# KiCad board modulo_puente_h-panel.kicad_pcb (continued)
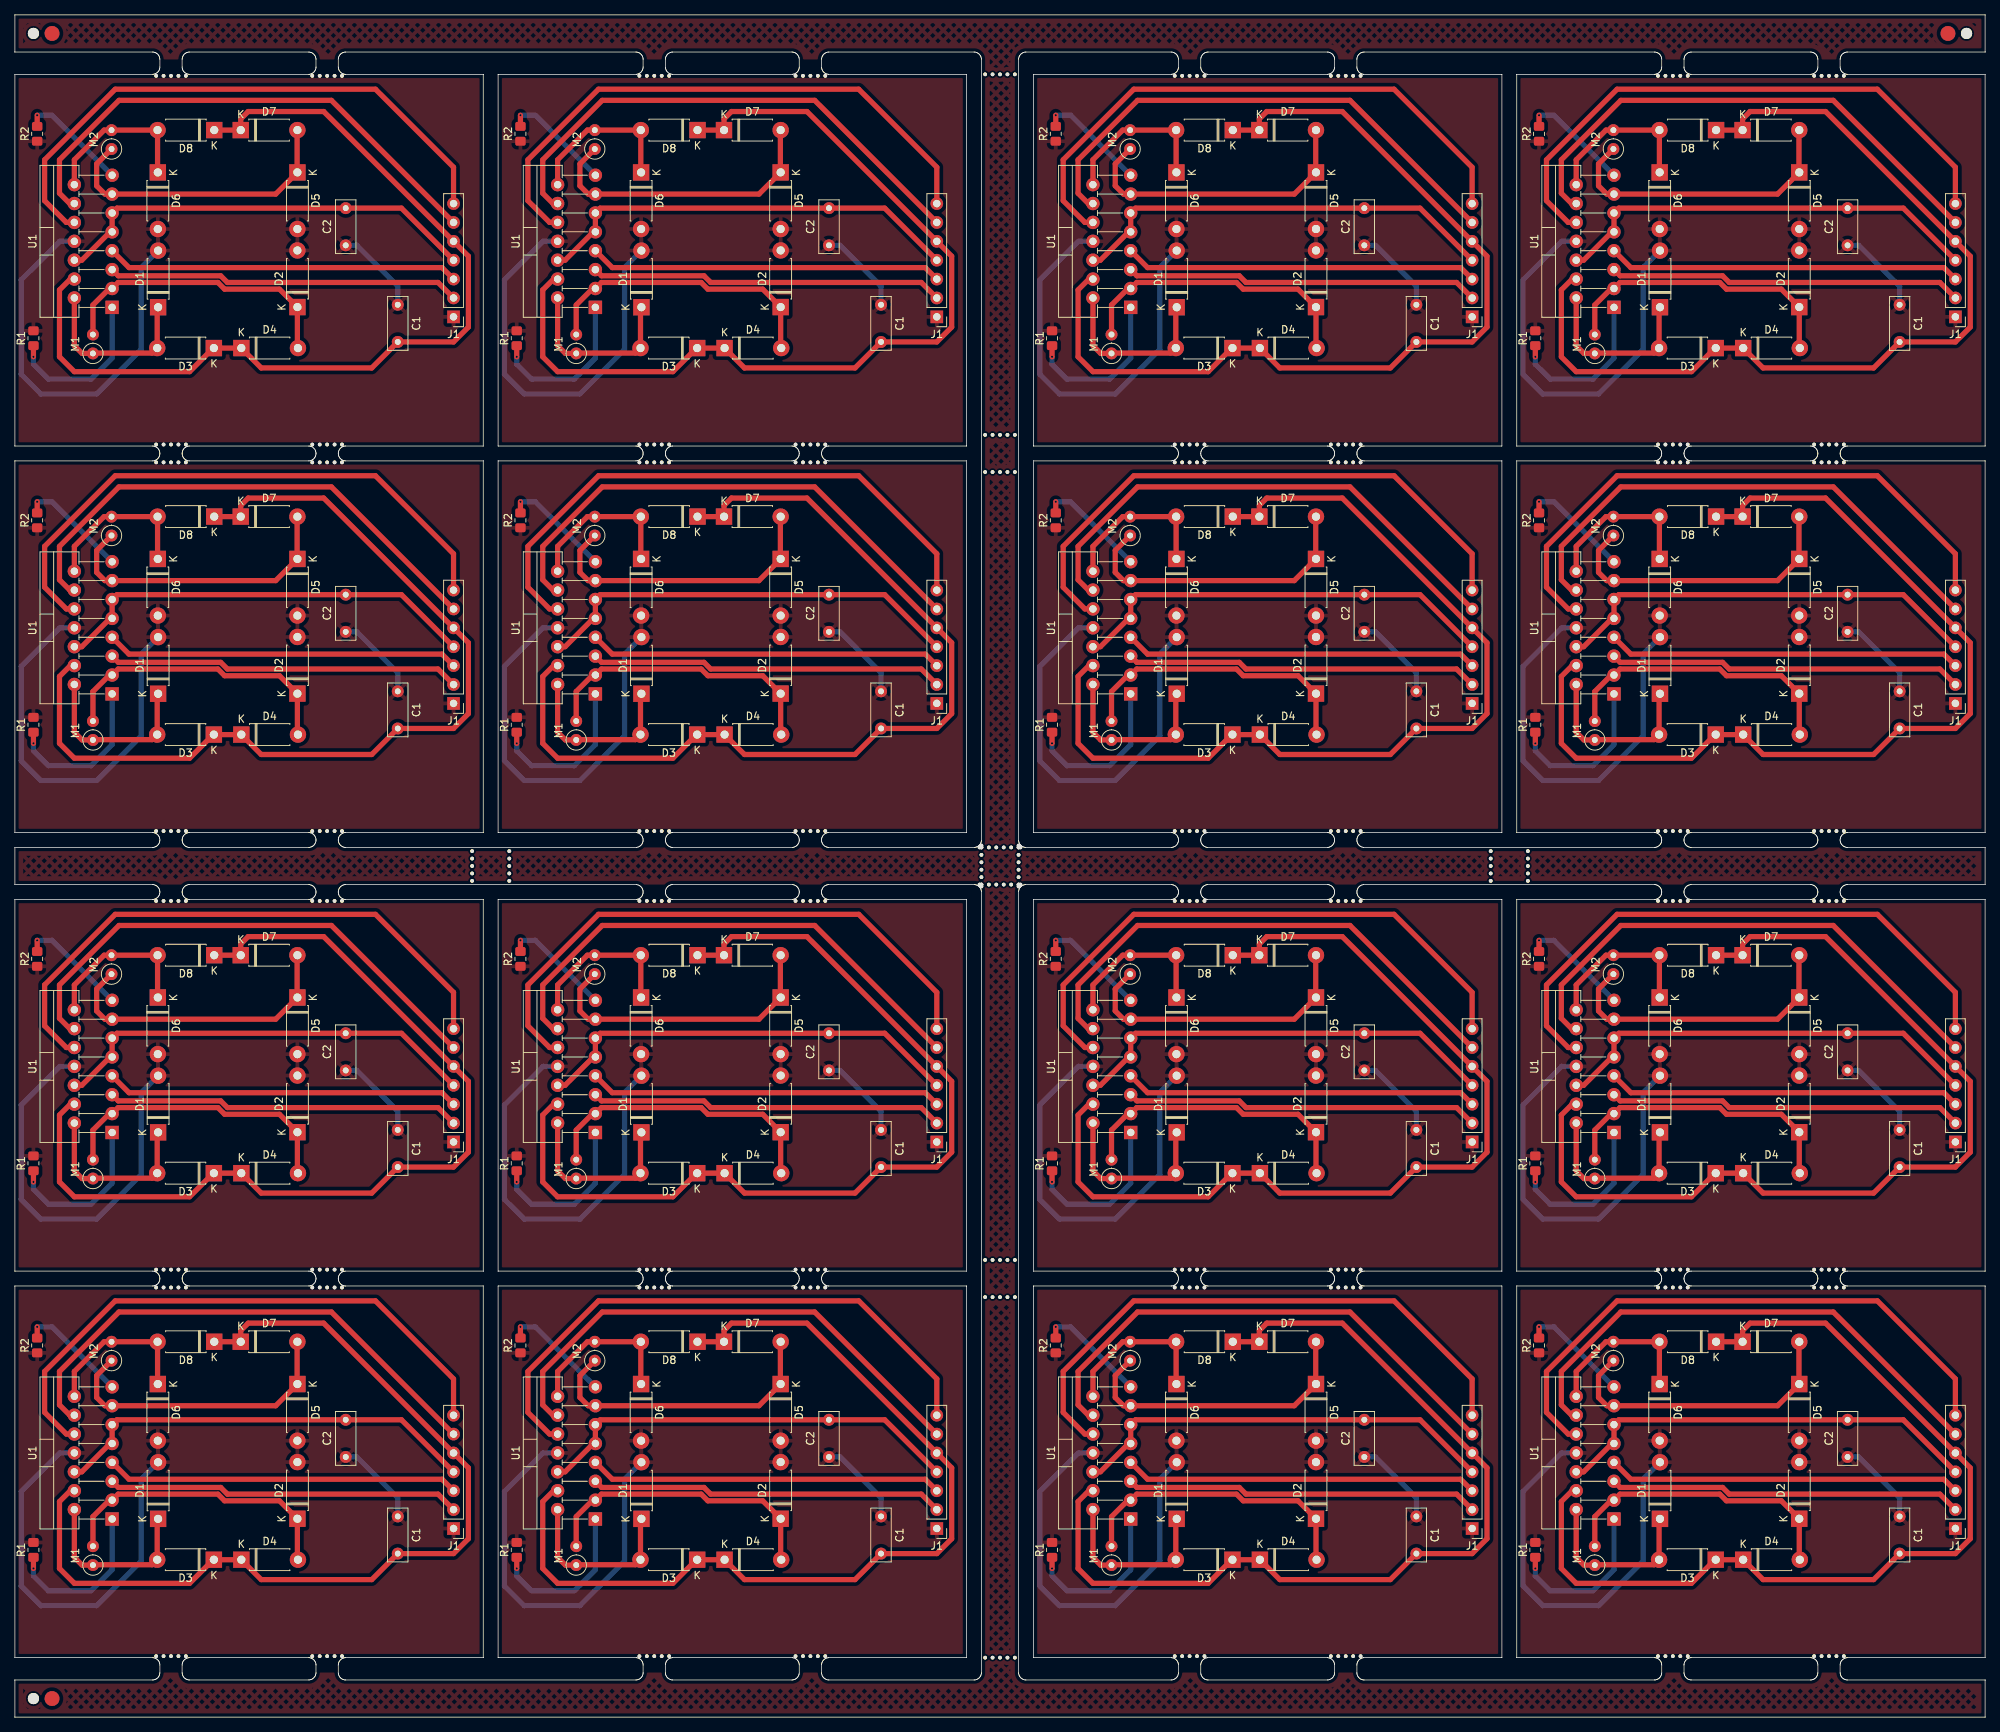
[diagram p0: board, top side]
## Placement (name value [footprint] x y rotation side) (continued)
KiKit_MB_34_4  -  [NPTH]  43 109.8 0 top
KiKit_MB_34_5  -  [NPTH]  44 109.8 0 top
KiKit_MB_35_1  -  [NPTH]  23 60.2 0 top
KiKit_MB_35_2  -  [NPTH]  22 60.2 0 top
KiKit_MB_35_3  -  [NPTH]  21 60.2 0 top
KiKit_MB_35_4  -  [NPTH]  20 60.2 0 top
KiKit_MB_35_5  -  [NPTH]  19 60.2 0 top
KiKit_MB_36_1  -  [NPTH]  44 60.2 0 top
KiKit_MB_36_2  -  [NPTH]  43 60.2 0 top
KiKit_MB_36_3  -  [NPTH]  42 60.2 0 top
KiKit_MB_36_4  -  [NPTH]  41 60.2 0 top
KiKit_MB_36_5  -  [NPTH]  40 60.2 0 top
KiKit_MB_37_1  -  [NPTH]  84 109.8 0 top
KiKit_MB_37_2  -  [NPTH]  85 109.8 0 top
KiKit_MB_37_3  -  [NPTH]  86 109.8 0 top
KiKit_MB_37_4  -  [NPTH]  87 109.8 0 top
KiKit_MB_37_5  -  [NPTH]  88 109.8 0 top
KiKit_MB_38_1  -  [NPTH]  105 109.8 0 top
KiKit_MB_38_2  -  [NPTH]  106 109.8 0 top
KiKit_MB_38_3  -  [NPTH]  107 109.8 0 top
KiKit_MB_38_4  -  [NPTH]  108 109.8 0 top
KiKit_MB_38_5  -  [NPTH]  109 109.8 0 top
KiKit_MB_39_1  -  [NPTH]  88 60.2 0 top
KiKit_MB_39_2  -  [NPTH]  87 60.2 0 top
KiKit_MB_39_3  -  [NPTH]  86 60.2 0 top
KiKit_MB_39_4  -  [NPTH]  85 60.2 0 top
KiKit_MB_39_5  -  [NPTH]  84 60.2 0 top
KiKit_MB_40_1  -  [NPTH]  109 60.2 0 top
KiKit_MB_40_2  -  [NPTH]  108 60.2 0 top
KiKit_MB_40_3  -  [NPTH]  107 60.2 0 top
KiKit_MB_40_4  -  [NPTH]  106 60.2 0 top
KiKit_MB_40_5  -  [NPTH]  105 60.2 0 top
KiKit_MB_41_1  -  [NPTH]  156 109.8 0 top
KiKit_MB_41_2  -  [NPTH]  157 109.8 0 top
KiKit_MB_41_3  -  [NPTH]  158 109.8 0 top
KiKit_MB_41_4  -  [NPTH]  159 109.8 0 top
KiKit_MB_41_5  -  [NPTH]  160 109.8 0 top
KiKit_MB_42_1  -  [NPTH]  177 109.8 0 top
KiKit_MB_42_2  -  [NPTH]  178 109.8 0 top
KiKit_MB_42_3  -  [NPTH]  179 109.8 0 top
KiKit_MB_42_4  -  [NPTH]  180 109.8 0 top
KiKit_MB_42_5  -  [NPTH]  181 109.8 0 top
KiKit_MB_43_1  -  [NPTH]  160 60.2 0 top
KiKit_MB_43_2  -  [NPTH]  159 60.2 0 top
KiKit_MB_43_3  -  [NPTH]  158 60.2 0 top
KiKit_MB_43_4  -  [NPTH]  157 60.2 0 top
KiKit_MB_43_5  -  [NPTH]  156 60.2 0 top
KiKit_MB_44_1  -  [NPTH]  181 60.2 0 top
KiKit_MB_44_2  -  [NPTH]  180 60.2 0 top
KiKit_MB_44_3  -  [NPTH]  179 60.2 0 top
KiKit_MB_44_4  -  [NPTH]  178 60.2 0 top
KiKit_MB_44_5  -  [NPTH]  177 60.2 0 top
KiKit_MB_45_1  -  [NPTH]  221 109.8 0 top
KiKit_MB_45_2  -  [NPTH]  222 109.8 0 top
KiKit_MB_45_3  -  [NPTH]  223 109.8 0 top
KiKit_MB_45_4  -  [NPTH]  224 109.8 0 top
KiKit_MB_45_5  -  [NPTH]  225 109.8 0 top
KiKit_MB_46_1  -  [NPTH]  242 109.8 0 top
KiKit_MB_46_2  -  [NPTH]  243 109.8 0 top
KiKit_MB_46_3  -  [NPTH]  244 109.8 0 top
KiKit_MB_46_4  -  [NPTH]  245 109.8 0 top
KiKit_MB_46_5  -  [NPTH]  246 109.8 0 top
KiKit_MB_47_1  -  [NPTH]  225 60.2 0 top
KiKit_MB_47_2  -  [NPTH]  224 60.2 0 top
KiKit_MB_47_3  -  [NPTH]  223 60.2 0 top
KiKit_MB_47_4  -  [NPTH]  222 60.2 0 top
KiKit_MB_47_5  -  [NPTH]  221 60.2 0 top
KiKit_MB_48_1  -  [NPTH]  246 60.2 0 top
KiKit_MB_48_2  -  [NPTH]  245 60.2 0 top
KiKit_MB_48_3  -  [NPTH]  244 60.2 0 top
KiKit_MB_48_4  -  [NPTH]  243 60.2 0 top
KiKit_MB_48_5  -  [NPTH]  242 60.2 0 top
KiKit_MB_49_1  -  [NPTH]  19 57.8 0 top
KiKit_MB_49_2  -  [NPTH]  20 57.8 0 top
KiKit_MB_49_3  -  [NPTH]  21 57.8 0 top
KiKit_MB_49_4  -  [NPTH]  22 57.8 0 top
KiKit_MB_49_5  -  [NPTH]  23 57.8 0 top
KiKit_MB_50_1  -  [NPTH]  40 57.8 0 top
KiKit_MB_50_2  -  [NPTH]  41 57.8 0 top
KiKit_MB_50_3  -  [NPTH]  42 57.8 0 top
KiKit_MB_50_4  -  [NPTH]  43 57.8 0 top
KiKit_MB_50_5  -  [NPTH]  44 57.8 0 top
KiKit_MB_51_1  -  [NPTH]  23 8.2 0 top
KiKit_MB_51_2  -  [NPTH]  22 8.2 0 top
KiKit_MB_51_3  -  [NPTH]  21 8.2 0 top
KiKit_MB_51_4  -  [NPTH]  20 8.2 0 top
KiKit_MB_51_5  -  [NPTH]  19 8.2 0 top
KiKit_MB_52_1  -  [NPTH]  44 8.2 0 top
KiKit_MB_52_2  -  [NPTH]  43 8.2 0 top
KiKit_MB_52_3  -  [NPTH]  42 8.2 0 top
KiKit_MB_52_4  -  [NPTH]  41 8.2 0 top
KiKit_MB_52_5  -  [NPTH]  40 8.2 0 top
KiKit_MB_53_1  -  [NPTH]  84 57.8 0 top
KiKit_MB_53_2  -  [NPTH]  85 57.8 0 top
KiKit_MB_53_3  -  [NPTH]  86 57.8 0 top
KiKit_MB_53_4  -  [NPTH]  87 57.8 0 top
KiKit_MB_53_5  -  [NPTH]  88 57.8 0 top
KiKit_MB_54_1  -  [NPTH]  105 57.8 0 top
KiKit_MB_54_2  -  [NPTH]  106 57.8 0 top
KiKit_MB_54_3  -  [NPTH]  107 57.8 0 top
KiKit_MB_54_4  -  [NPTH]  108 57.8 0 top
KiKit_MB_54_5  -  [NPTH]  109 57.8 0 top
KiKit_MB_55_1  -  [NPTH]  88 8.2 0 top
KiKit_MB_55_2  -  [NPTH]  87 8.2 0 top
KiKit_MB_55_3  -  [NPTH]  86 8.2 0 top
KiKit_MB_55_4  -  [NPTH]  85 8.2 0 top
KiKit_MB_55_5  -  [NPTH]  84 8.2 0 top
KiKit_MB_56_1  -  [NPTH]  109 8.2 0 top
KiKit_MB_56_2  -  [NPTH]  108 8.2 0 top
KiKit_MB_56_3  -  [NPTH]  107 8.2 0 top
KiKit_MB_56_4  -  [NPTH]  106 8.2 0 top
KiKit_MB_56_5  -  [NPTH]  105 8.2 0 top
KiKit_MB_57_1  -  [NPTH]  156 57.8 0 top
KiKit_MB_57_2  -  [NPTH]  157 57.8 0 top
KiKit_MB_57_3  -  [NPTH]  158 57.8 0 top
KiKit_MB_57_4  -  [NPTH]  159 57.8 0 top
KiKit_MB_57_5  -  [NPTH]  160 57.8 0 top
KiKit_MB_58_1  -  [NPTH]  177 57.8 0 top
KiKit_MB_58_2  -  [NPTH]  178 57.8 0 top
KiKit_MB_58_3  -  [NPTH]  179 57.8 0 top
KiKit_MB_58_4  -  [NPTH]  180 57.8 0 top
KiKit_MB_58_5  -  [NPTH]  181 57.8 0 top
KiKit_MB_59_1  -  [NPTH]  160 8.2 0 top
KiKit_MB_59_2  -  [NPTH]  159 8.2 0 top
KiKit_MB_59_3  -  [NPTH]  158 8.2 0 top
KiKit_MB_59_4  -  [NPTH]  157 8.2 0 top
KiKit_MB_59_5  -  [NPTH]  156 8.2 0 top
KiKit_MB_60_1  -  [NPTH]  181 8.2 0 top
KiKit_MB_60_2  -  [NPTH]  180 8.2 0 top
KiKit_MB_60_3  -  [NPTH]  179 8.2 0 top
KiKit_MB_60_4  -  [NPTH]  178 8.2 0 top
KiKit_MB_60_5  -  [NPTH]  177 8.2 0 top
KiKit_MB_61_1  -  [NPTH]  221 57.8 0 top
KiKit_MB_61_2  -  [NPTH]  222 57.8 0 top
KiKit_MB_61_3  -  [NPTH]  223 57.8 0 top
KiKit_MB_61_4  -  [NPTH]  224 57.8 0 top
KiKit_MB_61_5  -  [NPTH]  225 57.8 0 top
KiKit_MB_62_1  -  [NPTH]  242 57.8 0 top
KiKit_MB_62_2  -  [NPTH]  243 57.8 0 top
KiKit_MB_62_3  -  [NPTH]  244 57.8 0 top
KiKit_MB_62_4  -  [NPTH]  245 57.8 0 top
KiKit_MB_62_5  -  [NPTH]  246 57.8 0 top
KiKit_MB_63_1  -  [NPTH]  225 8.2 0 top
KiKit_MB_63_2  -  [NPTH]  224 8.2 0 top
KiKit_MB_63_3  -  [NPTH]  223 8.2 0 top
KiKit_MB_63_4  -  [NPTH]  222 8.2 0 top
KiKit_MB_63_5  -  [NPTH]  221 8.2 0 top
KiKit_MB_64_1  -  [NPTH]  246 8.2 0 top
KiKit_MB_64_2  -  [NPTH]  245 8.2 0 top
KiKit_MB_64_3  -  [NPTH]  244 8.2 0 top
KiKit_MB_64_4  -  [NPTH]  243 8.2 0 top
KiKit_MB_64_5  -  [NPTH]  242 8.2 0 top
KiKit_MB_65_2  -  [NPTH]  66.5 112.5 0 top
KiKit_MB_65_3  -  [NPTH]  66.5 113.5 0 top
KiKit_MB_65_4  -  [NPTH]  66.5 114.5 0 top
KiKit_MB_65_5  -  [NPTH]  66.5 115.5 0 top
KiKit_MB_65_6  -  [NPTH]  66.5 116.5 0 top
KiKit_MB_66_1  -  [NPTH]  130 117.25 0 top
KiKit_MB_67_1  -  [NPTH]  130 117 0 top
KiKit_MB_67_2  -  [NPTH]  130 116 0 top
KiKit_MB_67_3  -  [NPTH]  130 115 0 top
KiKit_MB_67_4  -  [NPTH]  130 114 0 top
KiKit_MB_67_5  -  [NPTH]  130 113 0 top
KiKit_MB_67_6  -  [NPTH]  130 112 0 top
KiKit_MB_68_1  -  [NPTH]  130 111.75 0 top
KiKit_MB_69_2  -  [NPTH]  203.5 112.5 0 top
KiKit_MB_69_3  -  [NPTH]  203.5 113.5 0 top
KiKit_MB_69_4  -  [NPTH]  203.5 114.5 0 top
KiKit_MB_69_5  -  [NPTH]  203.5 115.5 0 top
KiKit_MB_69_6  -  [NPTH]  203.5 116.5 0 top
KiKit_MB_70_2  -  [NPTH]  61.5 116.5 0 top
KiKit_MB_70_3  -  [NPTH]  61.5 115.5 0 top
KiKit_MB_70_4  -  [NPTH]  61.5 114.5 0 top
KiKit_MB_70_5  -  [NPTH]  61.5 113.5 0 top
KiKit_MB_70_6  -  [NPTH]  61.5 112.5 0 top
KiKit_MB_71_1  -  [NPTH]  135 111.75 0 top
KiKit_MB_72_1  -  [NPTH]  135 112 0 top
KiKit_MB_72_2  -  [NPTH]  135 113 0 top
KiKit_MB_72_3  -  [NPTH]  135 114 0 top
KiKit_MB_72_4  -  [NPTH]  135 115 0 top
KiKit_MB_72_5  -  [NPTH]  135 116 0 top
KiKit_MB_72_6  -  [NPTH]  135 117 0 top
KiKit_MB_73_1  -  [NPTH]  135 117.25 0 top
KiKit_MB_74_2  -  [NPTH]  198.5 116.5 0 top
KiKit_MB_74_3  -  [NPTH]  198.5 115.5 0 top
KiKit_MB_74_4  -  [NPTH]  198.5 114.5 0 top
KiKit_MB_74_5  -  [NPTH]  198.5 113.5 0 top
KiKit_MB_74_6  -  [NPTH]  198.5 112.5 0 top
KiKit_MB_75_2  -  [NPTH]  130.5 167.5 0 top
KiKit_MB_75_3  -  [NPTH]  131.5 167.5 0 top
KiKit_MB_75_4  -  [NPTH]  132.5 167.5 0 top
KiKit_MB_75_5  -  [NPTH]  133.5 167.5 0 top
KiKit_MB_75_6  -  [NPTH]  134.5 167.5 0 top
KiKit_MB_76_1  -  [NPTH]  135.25 117 0 top
KiKit_MB_77_1  -  [NPTH]  135 117 0 top
KiKit_MB_77_2  -  [NPTH]  134 117 0 top
KiKit_MB_77_3  -  [NPTH]  133 117 0 top
KiKit_MB_77_4  -  [NPTH]  132 117 0 top
KiKit_MB_77_5  -  [NPTH]  131 117 0 top
KiKit_MB_77_6  -  [NPTH]  130 117 0 top
KiKit_MB_78_1  -  [NPTH]  129.75 117 0 top
KiKit_MB_79_2  -  [NPTH]  134.5 221 0 top
KiKit_MB_79_3  -  [NPTH]  133.5 221 0 top
KiKit_MB_79_4  -  [NPTH]  132.5 221 0 top
KiKit_MB_79_5  -  [NPTH]  131.5 221 0 top
KiKit_MB_79_6  -  [NPTH]  130.5 221 0 top
KiKit_MB_80_2  -  [NPTH]  134.5 172.5 0 top
KiKit_MB_80_3  -  [NPTH]  133.5 172.5 0 top
KiKit_MB_80_4  -  [NPTH]  132.5 172.5 0 top
KiKit_MB_80_5  -  [NPTH]  131.5 172.5 0 top
KiKit_MB_80_6  -  [NPTH]  130.5 172.5 0 top
KiKit_MB_81_1  -  [NPTH]  129.75 112 0 top
KiKit_MB_82_1  -  [NPTH]  130 112 0 top
KiKit_MB_82_2  -  [NPTH]  131 112 0 top
KiKit_MB_82_3  -  [NPTH]  132 112 0 top
KiKit_MB_82_4  -  [NPTH]  133 112 0 top
KiKit_MB_82_5  -  [NPTH]  134 112 0 top
KiKit_MB_82_6  -  [NPTH]  135 112 0 top
KiKit_MB_83_1  -  [NPTH]  135.25 112 0 top
KiKit_MB_84_2  -  [NPTH]  134.5 61.5 0 top
KiKit_MB_84_3  -  [NPTH]  133.5 61.5 0 top
KiKit_MB_84_4  -  [NPTH]  132.5 61.5 0 top
KiKit_MB_84_5  -  [NPTH]  131.5 61.5 0 top
KiKit_MB_84_6  -  [NPTH]  130.5 61.5 0 top
KiKit_MB_85_2  -  [NPTH]  130.5 56.5 0 top
KiKit_MB_85_3  -  [NPTH]  131.5 56.5 0 top
KiKit_MB_85_4  -  [NPTH]  132.5 56.5 0 top
KiKit_MB_85_5  -  [NPTH]  133.5 56.5 0 top
KiKit_MB_85_6  -  [NPTH]  134.5 56.5 0 top
KiKit_MB_86_2  -  [NPTH]  134.5 8 0 top
KiKit_MB_86_3  -  [NPTH]  133.5 8 0 top
KiKit_MB_86_4  -  [NPTH]  132.5 8 0 top
KiKit_MB_86_5  -  [NPTH]  131.5 8 0 top
KiKit_MB_86_6  -  [NPTH]  130.5 8 0 top
KiKit_TO_1  -  [NPTH#2]  2.5 226.5 0 top
KiKit_TO_2  -  [NPTH#2]  262.5 226.5 0 top
KiKit_TO_3  -  [NPTH#2]  2.5 2.5 0 top
M1  Motor_IZQ  [R_Axial_DIN0207_L6.3mm_D2.5mm_P2.54mm_Vertical]  212.5 20.46 90 top
M1#2  Motor_IZQ  [R_Axial_DIN0207_L6.3mm_D2.5mm_P2.54mm_Vertical]  212.5 72.46 90 top
M1#3  Motor_IZQ  [R_Axial_DIN0207_L6.3mm_D2.5mm_P2.54mm_Vertical]  147.5 131.46 90 top
M1#4  Motor_IZQ  [R_Axial_DIN0207_L6.3mm_D2.5mm_P2.54mm_Vertical]  147.5 20.46 90 top
M1#5  Motor_IZQ  [R_Axial_DIN0207_L6.3mm_D2.5mm_P2.54mm_Vertical]  75.5 20.46 90 top
M1#6  Motor_IZQ  [R_Axial_DIN0207_L6.3mm_D2.5mm_P2.54mm_Vertical]  10.5 72.46 90 top
M1#7  Motor_IZQ  [R_Axial_DIN0207_L6.3mm_D2.5mm_P2.54mm_Vertical]  212.5 183.46 90 top
M1#8  Motor_IZQ  [R_Axial_DIN0207_L6.3mm_D2.5mm_P2.54mm_Vertical]  75.5 183.46 90 top
M1#9  Motor_IZQ  [R_Axial_DIN0207_L6.3mm_D2.5mm_P2.54mm_Vertical]  147.5 72.46 90 top
M1#10  Motor_IZQ  [R_Axial_DIN0207_L6.3mm_D2.5mm_P2.54mm_Vertical]  10.5 183.46 90 top
M1#11  Motor_IZQ  [R_Axial_DIN0207_L6.3mm_D2.5mm_P2.54mm_Vertical]  10.5 20.46 90 top
M1#12  Motor_IZQ  [R_Axial_DIN0207_L6.3mm_D2.5mm_P2.54mm_Vertical]  147.5 183.46 90 top
M1#13  Motor_IZQ  [R_Axial_DIN0207_L6.3mm_D2.5mm_P2.54mm_Vertical]  75.5 131.46 90 top
M1#14  Motor_IZQ  [R_Axial_DIN0207_L6.3mm_D2.5mm_P2.54mm_Vertical]  75.5 72.46 90 top
M1#15  Motor_IZQ  [R_Axial_DIN0207_L6.3mm_D2.5mm_P2.54mm_Vertical]  10.5 131.46 90 top
M1#16  Motor_IZQ  [R_Axial_DIN0207_L6.3mm_D2.5mm_P2.54mm_Vertical]  212.5 131.46 90 top
M2  Motor_DER  [R_Axial_DIN0207_L6.3mm_D2.5mm_P2.54mm_Vertical]  150 99.96 90 top
M2#2  Motor_DER  [R_Axial_DIN0207_L6.3mm_D2.5mm_P2.54mm_Vertical]  215 47.96 90 top
M2#3  Motor_DER  [R_Axial_DIN0207_L6.3mm_D2.5mm_P2.54mm_Vertical]  13 99.96 90 top
M2#4  Motor_DER  [R_Axial_DIN0207_L6.3mm_D2.5mm_P2.54mm_Vertical]  78 99.96 90 top
M2#5  Motor_DER  [R_Axial_DIN0207_L6.3mm_D2.5mm_P2.54mm_Vertical]  150 47.96 90 top
M2#6  Motor_DER  [R_Axial_DIN0207_L6.3mm_D2.5mm_P2.54mm_Vertical]  78 158.96 90 top
M2#7  Motor_DER  [R_Axial_DIN0207_L6.3mm_D2.5mm_P2.54mm_Vertical]  215 210.96 90 top
M2#8  Motor_DER  [R_Axial_DIN0207_L6.3mm_D2.5mm_P2.54mm_Vertical]  150 210.96 90 top
M2#9  Motor_DER  [R_Axial_DIN0207_L6.3mm_D2.5mm_P2.54mm_Vertical]  13 47.96 90 top
M2#10  Motor_DER  [R_Axial_DIN0207_L6.3mm_D2.5mm_P2.54mm_Vertical]  78 47.96 90 top
M2#11  Motor_DER  [R_Axial_DIN0207_L6.3mm_D2.5mm_P2.54mm_Vertical]  13 158.96 90 top
M2#12  Motor_DER  [R_Axial_DIN0207_L6.3mm_D2.5mm_P2.54mm_Vertical]  13 210.96 90 top
M2#13  Motor_DER  [R_Axial_DIN0207_L6.3mm_D2.5mm_P2.54mm_Vertical]  215 158.96 90 top
M2#14  Motor_DER  [R_Axial_DIN0207_L6.3mm_D2.5mm_P2.54mm_Vertical]  150 158.96 90 top
M2#15  Motor_DER  [R_Axial_DIN0207_L6.3mm_D2.5mm_P2.54mm_Vertical]  215 99.96 90 top
M2#16  Motor_DER  [R_Axial_DIN0207_L6.3mm_D2.5mm_P2.54mm_Vertical]  78 210.96 90 top
R1  R_US  [R_0805_2012Metric_Pad1.20x1.40mm_HandSolder]  139.5 22.5 90 top
R1#2  R_US  [R_0805_2012Metric_Pad1.20x1.40mm_HandSolder]  2.5 185.5 90 top
R1#3  R_US  [R_0805_2012Metric_Pad1.20x1.40mm_HandSolder]  67.5 185.5 90 top
R1#4  R_US  [R_0805_2012Metric_Pad1.20x1.40mm_HandSolder]  2.5 133.5 90 top
R1#5  R_US  [R_0805_2012Metric_Pad1.20x1.40mm_HandSolder]  139.5 185.5 90 top
R1#6  R_US  [R_0805_2012Metric_Pad1.20x1.40mm_HandSolder]  2.5 22.5 90 top
R1#7  R_US  [R_0805_2012Metric_Pad1.20x1.40mm_HandSolder]  204.5 74.5 90 top
R1#8  R_US  [R_0805_2012Metric_Pad1.20x1.40mm_HandSolder]  204.5 22.5 90 top
R1#9  R_US  [R_0805_2012Metric_Pad1.20x1.40mm_HandSolder]  204.5 185.5 90 top
R1#10  R_US  [R_0805_2012Metric_Pad1.20x1.40mm_HandSolder]  139.5 133.5 90 top
R1#11  R_US  [R_0805_2012Metric_Pad1.20x1.40mm_HandSolder]  67.5 74.5 90 top
R1#12  R_US  [R_0805_2012Metric_Pad1.20x1.40mm_HandSolder]  204.5 133.5 90 top
R1#13  R_US  [R_0805_2012Metric_Pad1.20x1.40mm_HandSolder]  139.5 74.5 90 top
R1#14  R_US  [R_0805_2012Metric_Pad1.20x1.40mm_HandSolder]  67.5 133.5 90 top
R1#15  R_US  [R_0805_2012Metric_Pad1.20x1.40mm_HandSolder]  67.5 22.5 90 top
R1#16  R_US  [R_0805_2012Metric_Pad1.20x1.40mm_HandSolder]  2.5 74.5 90 top
R2  R_US  [R_0805_2012Metric_Pad1.20x1.40mm_HandSolder]  205 213 90 top
R2#2  R_US  [R_0805_2012Metric_Pad1.20x1.40mm_HandSolder]  68 213 90 top
R2#3  R_US  [R_0805_2012Metric_Pad1.20x1.40mm_HandSolder]  205 102 90 top
R2#4  R_US  [R_0805_2012Metric_Pad1.20x1.40mm_HandSolder]  205 161 90 top
R2#5  R_US  [R_0805_2012Metric_Pad1.20x1.40mm_HandSolder]  68 161 90 top
R2#6  R_US  [R_0805_2012Metric_Pad1.20x1.40mm_HandSolder]  68 50 90 top
R2#7  R_US  [R_0805_2012Metric_Pad1.20x1.40mm_HandSolder]  140 102 90 top
R2#8  R_US  [R_0805_2012Metric_Pad1.20x1.40mm_HandSolder]  3 213 90 top
R2#9  R_US  [R_0805_2012Metric_Pad1.20x1.40mm_HandSolder]  205 50 90 top
R2#10  R_US  [R_0805_2012Metric_Pad1.20x1.40mm_HandSolder]  140 50 90 top
R2#11  R_US  [R_0805_2012Metric_Pad1.20x1.40mm_HandSolder]  68 102 90 top
R2#12  R_US  [R_0805_2012Metric_Pad1.20x1.40mm_HandSolder]  3 102 90 top
R2#13  R_US  [R_0805_2012Metric_Pad1.20x1.40mm_HandSolder]  3 161 90 top
R2#14  R_US  [R_0805_2012Metric_Pad1.20x1.40mm_HandSolder]  140 161 90 top
R2#15  R_US  [R_0805_2012Metric_Pad1.20x1.40mm_HandSolder]  3 50 90 top
R2#16  R_US  [R_0805_2012Metric_Pad1.20x1.40mm_HandSolder]  140 213 90 top
U1  L298N  [TO-220-15_P2.54x2.54mm_StaggerOdd_Lead4.58mm_Vertical]  150.08 26.65 90 top
U1#2  L298N  [TO-220-15_P2.54x2.54mm_StaggerOdd_Lead4.58mm_Vertical]  215.08 189.65 90 top
U1#3  L298N  [TO-220-15_P2.54x2.54mm_StaggerOdd_Lead4.58mm_Vertical]  13.08 189.65 90 top
U1#4  L298N  [TO-220-15_P2.54x2.54mm_StaggerOdd_Lead4.58mm_Vertical]  13.08 137.65 90 top
U1#5  L298N  [TO-220-15_P2.54x2.54mm_StaggerOdd_Lead4.58mm_Vertical]  78.08 26.65 90 top
U1#6  L298N  [TO-220-15_P2.54x2.54mm_StaggerOdd_Lead4.58mm_Vertical]  78.08 78.65 90 top
U1#7  L298N  [TO-220-15_P2.54x2.54mm_StaggerOdd_Lead4.58mm_Vertical]  78.08 137.65 90 top
U1#8  L298N  [TO-220-15_P2.54x2.54mm_StaggerOdd_Lead4.58mm_Vertical]  150.08 78.65 90 top
U1#9  L298N  [TO-220-15_P2.54x2.54mm_StaggerOdd_Lead4.58mm_Vertical]  13.08 78.65 90 top
U1#10  L298N  [TO-220-15_P2.54x2.54mm_StaggerOdd_Lead4.58mm_Vertical]  78.08 189.65 90 top
U1#11  L298N  [TO-220-15_P2.54x2.54mm_StaggerOdd_Lead4.58mm_Vertical]  13.08 26.65 90 top
U1#12  L298N  [TO-220-15_P2.54x2.54mm_StaggerOdd_Lead4.58mm_Vertical]  215.08 137.65 90 top
U1#13  L298N  [TO-220-15_P2.54x2.54mm_StaggerOdd_Lead4.58mm_Vertical]  150.08 137.65 90 top
U1#14  L298N  [TO-220-15_P2.54x2.54mm_StaggerOdd_Lead4.58mm_Vertical]  150.08 189.65 90 top
U1#15  L298N  [TO-220-15_P2.54x2.54mm_StaggerOdd_Lead4.58mm_Vertical]  215.08 26.65 90 top
U1#16  L298N  [TO-220-15_P2.54x2.54mm_StaggerOdd_Lead4.58mm_Vertical]  215.08 78.65 90 top

## Library data of the parts
C1 C1#2-C1#16 C2 C2#2-C2#16 = -: Description: Unpolarized capacitor, small symbol; desc: Unpolarized capacitor, small symbol; part: C_Small
D1 D1#2-D1#16 D2 D2#2-D2#16 D3 D3#2-D3#16 D4 D4#2-D4#16 D5 D5#2-D5#16 D6 D6#2-D6#16 D7 D7#2-D7#16 D8 D8#2-D8#16 = -: Description: Diode; Sim.Pins: 1=K 2=A; desc: Diode
J1 J1#2-J1#16 = -: Description: Generic connector, single row, 01x07, script generated; desc: Generic connector, single row, 01x07, script generated
M1 M1#2-M1#16 M2 M2#2-M2#16 = -: Description: DC Motor; desc: DC Motor; part: Motor_DC
R1 R1#2-R1#16 R2 R2#2-R2#16 = -: Description: Resistor, US symbol; desc: Resistor, US symbol
U1 U1#2-U1#16 = -: Datasheet: http://www.st.com/st-web-ui/static/active/en/resource/technical/document/datasheet/CD00000240.pdf; Description: Dual full bridge motor driver, up to 46V, 4A, Multiwatt15-V; desc: Dual full bridge motor driver, up to 46V, 4A, Multiwatt15-V

## Footprints (pads in the part's own frame, mm; a bottom-side part is the same pattern mirrored in y, then rotated)
C_Disc_D7.0mm_W2.5mm_P5.00mm
  round 1.6 hole 0.8: 1(0,0) 2(5,0)
D_DO-41_SOD81_P7.62mm_Horizontal
  rect 2.2x2.2 hole 1.1: 1(0,0)
  oval 2.2x2.2 hole 1.1: 2(7.62,0)
Fiducial
  round 2 smd: (0,0)
NPTH
  round 0.5 hole 0.5 unplated: (0,0)
NPTH#2
  round 1.5 hole 1.5 unplated: (0,0)
PinHeader_1x07_P2.54mm_Vertical
  rect 1.7x1.7 hole 1: 1(0,0)
  oval 1.7x1.7 hole 1: 2(0,-2.54) 3(0,-5.08) 4(0,-7.62) 5(0,-10.16) 6(0,-12.7) 7(0,-15.24)
R_0805_2012Metric_Pad1.20x1.40mm_HandSolder
  rrect 1.2x1.4 smd: 1(-1,0) 2(1,0)
R_Axial_DIN0207_L6.3mm_D2.5mm_P2.54mm_Vertical
  round 1.6 hole 0.8: 1(0,0)
  oval 1.6x1.6 hole 0.8: 2(2.54,0)
TO-220-15_P2.54x2.54mm_StaggerOdd_Lead4.58mm_Vertical
  rect 1.8x1.8 hole 1: 1(0,0)
  oval 1.8x1.8 hole 1: 2(1.27,5.08) 3(2.54,0) 4(3.81,5.08) 5(5.08,0) 6(6.35,5.08) 7(7.62,0) 8(8.89,5.08) 9(10.16,0) 10(11.43,5.08) 11(12.7,0) 12(13.97,5.08) 13(15.24,0) 14(16.51,5.08) 15(17.78,0)

## Nets
Board_0-+5V: C2#13.2 J1#11.4 U1#3.6 U1#3.9 U1#3.11
Board_0-/Entrada 1 Motor A: J1#11.2 U1#3.5
Board_0-/Entrada 1 Motor B: J1#11.7 U1#3.10
Board_0-/Entrada 2 Motor A: J1#11.3 U1#3.7
Board_0-/Entrada 2 Motor B: J1#11.6 U1#3.12
Board_0-/Salida Regulador: C1#9.2 D3#3.1 D4#5.1 D7#2.1 D8#9.1 J1#11.5 U1#3.4
Board_0-GND: C1#9.1 C2#13.1 D1#12.2 D2#13.2 D5#2.2 D6.2 J1#11.1 R1#2.2 R2#8.1 U1#3.8
Board_0-Net-(D1-K): D1#12.1 D3#3.2 M1#10.1 U1#3.2
Board_0-Net-(D2-K): D2#13.1 D4#5.2 M1#10.2 U1#3.3
Board_0-Net-(D5-K): D5#2.1 D7#2.2 M2#12.1 U1#3.13
Board_0-Net-(D6-K): D6.1 D8#9.2 M2#12.2 U1#3.14
Board_0-Net-(U1-SENSE_A): R1#2.1 U1#3.1
Board_0-Net-(U1-SENSE_B): R2#8.2 U1#3.15
Board_1-+5V: C2#2.2 J1#15.4 U1#10.6 U1#10.9 U1#10.11
Board_1-/Entrada 1 Motor A: J1#15.2 U1#10.5
Board_1-/Entrada 1 Motor B: J1#15.7 U1#10.10
Board_1-/Entrada 2 Motor A: J1#15.3 U1#10.7
Board_1-/Entrada 2 Motor B: J1#15.6 U1#10.12
Board_1-/Salida Regulador: C1#12.2 D3#9.1 D4#10.1 D7#11.1 D8.1 J1#15.5 U1#10.4
Board_1-GND: C1#12.1 C2#2.1 D1#5.2 D2#5.2 D5.2 D6#13.2 J1#15.1 R1#3.2 R2#2.1 U1#10.8
Board_1-Net-(D1-K): D1#5.1 D3#9.2 M1#8.1 U1#10.2
Board_1-Net-(D2-K): D2#5.1 D4#10.2 M1#8.2 U1#10.3
Board_1-Net-(D5-K): D5.1 D7#11.2 M2#16.1 U1#10.13
Board_1-Net-(D6-K): D6#13.1 D8.2 M2#16.2 U1#10.14
Board_1-Net-(U1-SENSE_A): R1#3.1 U1#10.1
Board_1-Net-(U1-SENSE_B): R2#2.2 U1#10.15
Board_2-+5V: C2#15.2 J1#10.4 U1#14.6 U1#14.9 U1#14.11
Board_2-/Entrada 1 Motor A: J1#10.2 U1#14.5
Board_2-/Entrada 1 Motor B: J1#10.7 U1#14.10
Board_2-/Entrada 2 Motor A: J1#10.3 U1#14.7
Board_2-/Entrada 2 Motor B: J1#10.6 U1#14.12
Board_2-/Salida Regulador: C1#4.2 D3#2.1 D4#13.1 D7#8.1 D8#6.1 J1#10.5 U1#14.4
Board_2-GND: C1#4.1 C2#15.1 D1#15.2 D2#8.2 D5#11.2 D6#11.2 J1#10.1 R1#5.2 R2#16.1 U1#14.8
Board_2-Net-(D1-K): D1#15.1 D3#2.2 M1#12.1 U1#14.2
Board_2-Net-(D2-K): D2#8.1 D4#13.2 M1#12.2 U1#14.3
Board_2-Net-(D5-K): D5#11.1 D7#8.2 M2#8.1 U1#14.13
Board_2-Net-(D6-K): D6#11.1 D8#6.2 M2#8.2 U1#14.14
Board_2-Net-(U1-SENSE_A): R1#5.1 U1#14.1
Board_2-Net-(U1-SENSE_B): R2#16.2 U1#14.15
Board_3-+5V: C2#3.2 J1#7.4 U1#2.6 U1#2.9 U1#2.11
Board_3-/Entrada 1 Motor A: J1#7.2 U1#2.5
Board_3-/Entrada 1 Motor B: J1#7.7 U1#2.10
Board_3-/Entrada 2 Motor A: J1#7.3 U1#2.7
Board_3-/Entrada 2 Motor B: J1#7.6 U1#2.12
Board_3-/Salida Regulador: C1#8.2 D3#15.1 D4#12.1 D7#15.1 D8#8.1 J1#7.5 U1#2.4
Board_3-GND: C1#8.1 C2#3.1 D1#4.2 D2#4.2 D5#10.2 D6#10.2 J1#7.1 R1#9.2 R2.1 U1#2.8
Board_3-Net-(D1-K): D1#4.1 D3#15.2 M1#7.1 U1#2.2
Board_3-Net-(D2-K): D2#4.1 D4#12.2 M1#7.2 U1#2.3
Board_3-Net-(D5-K): D5#10.1 D7#15.2 M2#7.1 U1#2.13
Board_3-Net-(D6-K): D6#10.1 D8#8.2 M2#7.2 U1#2.14
Board_3-Net-(U1-SENSE_A): R1#9.1 U1#2.1
Board_3-Net-(U1-SENSE_B): R2.2 U1#2.15
Board_4-+5V: C2#16.2 J1#9.4 U1#4.6 U1#4.9 U1#4.11
Board_4-/Entrada 1 Motor A: J1#9.2 U1#4.5
Board_4-/Entrada 1 Motor B: J1#9.7 U1#4.10
Board_4-/Entrada 2 Motor A: J1#9.3 U1#4.7
Board_4-/Entrada 2 Motor B: J1#9.6 U1#4.12
Board_4-/Salida Regulador: C1.2 D3#11.1 D4#2.1 D7#3.1 D8#3.1 J1#9.5 U1#4.4
Board_4-GND: C1.1 C2#16.1 D1#10.2 D2#9.2 D5#3.2 D6#9.2 J1#9.1 R1#4.2 R2#13.1 U1#4.8
Board_4-Net-(D1-K): D1#10.1 D3#11.2 M1#15.1 U1#4.2
Board_4-Net-(D2-K): D2#9.1 D4#2.2 M1#15.2 U1#4.3
Board_4-Net-(D5-K): D5#3.1 D7#3.2 M2#11.1 U1#4.13
Board_4-Net-(D6-K): D6#9.1 D8#3.2 M2#11.2 U1#4.14
Board_4-Net-(U1-SENSE_A): R1#4.1 U1#4.1
Board_4-Net-(U1-SENSE_B): R2#13.2 U1#4.15
Board_5-+5V: C2#4.2 J1#16.4 U1#7.6 U1#7.9 U1#7.11
Board_5-/Entrada 1 Motor A: J1#16.2 U1#7.5
Board_5-/Entrada 1 Motor B: J1#16.7 U1#7.10
Board_5-/Entrada 2 Motor A: J1#16.3 U1#7.7
Board_5-/Entrada 2 Motor B: J1#16.6 U1#7.12
Board_5-/Salida Regulador: C1#2.2 D3#8.1 D4#4.1 D7.1 D8#2.1 J1#16.5 U1#7.4
Board_5-GND: C1#2.1 C2#4.1 D1.2 D2#14.2 D5#12.2 D6#7.2 J1#16.1 R1#14.2 R2#5.1 U1#7.8
Board_5-Net-(D1-K): D1.1 D3#8.2 M1#13.1 U1#7.2
Board_5-Net-(D2-K): D2#14.1 D4#4.2 M1#13.2 U1#7.3
Board_5-Net-(D5-K): D5#12.1 D7.2 M2#6.1 U1#7.13
Board_5-Net-(D6-K): D6#7.1 D8#2.2 M2#6.2 U1#7.14
Board_5-Net-(U1-SENSE_A): R1#14.1 U1#7.1
Board_5-Net-(U1-SENSE_B): R2#5.2 U1#7.15
Board_6-+5V: C2#8.2 J1#14.4 U1#13.6 U1#13.9 U1#13.11
Board_6-/Entrada 1 Motor A: J1#14.2 U1#13.5
Board_6-/Entrada 1 Motor B: J1#14.7 U1#13.10
Board_6-/Entrada 2 Motor A: J1#14.3 U1#13.7
Board_6-/Entrada 2 Motor B: J1#14.6 U1#13.12
Board_6-/Salida Regulador: C1#5.2 D3#10.1 D4#14.1 D7#5.1 D8#7.1 J1#14.5 U1#13.4
Board_6-GND: C1#5.1 C2#8.1 D1#7.2 D2#15.2 D5#6.2 D6#2.2 J1#14.1 R1#10.2 R2#14.1 U1#13.8
Board_6-Net-(D1-K): D1#7.1 D3#10.2 M1#3.1 U1#13.2
Board_6-Net-(D2-K): D2#15.1 D4#14.2 M1#3.2 U1#13.3
Board_6-Net-(D5-K): D5#6.1 D7#5.2 M2#14.1 U1#13.13
Board_6-Net-(D6-K): D6#2.1 D8#7.2 M2#14.2 U1#13.14
Board_6-Net-(U1-SENSE_A): R1#10.1 U1#13.1
Board_6-Net-(U1-SENSE_B): R2#14.2 U1#13.15
Board_7-+5V: C2#5.2 J1#4.4 U1#12.6 U1#12.9 U1#12.11
Board_7-/Entrada 1 Motor A: J1#4.2 U1#12.5
Board_7-/Entrada 1 Motor B: J1#4.7 U1#12.10
Board_7-/Entrada 2 Motor A: J1#4.3 U1#12.7
Board_7-/Entrada 2 Motor B: J1#4.6 U1#12.12
Board_7-/Salida Regulador: C1#3.2 D3.1 D4#8.1 D7#16.1 D8#4.1 J1#4.5 U1#12.4
Board_7-GND: C1#3.1 C2#5.1 D1#3.2 D2#6.2 D5#14.2 D6#12.2 J1#4.1 R1#12.2 R2#4.1 U1#12.8
Board_7-Net-(D1-K): D1#3.1 D3.2 M1#16.1 U1#12.2
Board_7-Net-(D2-K): D2#6.1 D4#8.2 M1#16.2 U1#12.3
Board_7-Net-(D5-K): D5#14.1 D7#16.2 M2#13.1 U1#12.13
Board_7-Net-(D6-K): D6#12.1 D8#4.2 M2#13.2 U1#12.14
Board_7-Net-(U1-SENSE_A): R1#12.1 U1#12.1
Board_7-Net-(U1-SENSE_B): R2#4.2 U1#12.15
Board_8-+5V: C2#14.2 J1.4 U1#9.6 U1#9.9 U1#9.11
Board_8-/Entrada 1 Motor A: J1.2 U1#9.5
Board_8-/Entrada 1 Motor B: J1.7 U1#9.10
Board_8-/Entrada 2 Motor A: J1.3 U1#9.7
Board_8-/Entrada 2 Motor B: J1.6 U1#9.12
Board_8-/Salida Regulador: C1#16.2 D3#5.1 D4.1 D7#4.1 D8#13.1 J1.5 U1#9.4
Board_8-GND: C1#16.1 C2#14.1 D1#16.2 D2#3.2 D5#16.2 D6#14.2 J1.1 R1#16.2 R2#12.1 U1#9.8
Board_8-Net-(D1-K): D1#16.1 D3#5.2 M1#6.1 U1#9.2
Board_8-Net-(D2-K): D2#3.1 D4.2 M1#6.2 U1#9.3
Board_8-Net-(D5-K): D5#16.1 D7#4.2 M2#3.1 U1#9.13
Board_8-Net-(D6-K): D6#14.1 D8#13.2 M2#3.2 U1#9.14
Board_8-Net-(U1-SENSE_A): R1#16.1 U1#9.1
Board_8-Net-(U1-SENSE_B): R2#12.2 U1#9.15
Board_9-+5V: C2#10.2 J1#5.4 U1#6.6 U1#6.9 U1#6.11
Board_9-/Entrada 1 Motor A: J1#5.2 U1#6.5
Board_9-/Entrada 1 Motor B: J1#5.7 U1#6.10
Board_9-/Entrada 2 Motor A: J1#5.3 U1#6.7
Board_9-/Entrada 2 Motor B: J1#5.6 U1#6.12
Board_9-/Salida Regulador: C1#15.2 D3#6.1 D4#11.1 D7#6.1 D8#16.1 J1#5.5 U1#6.4
Board_9-GND: C1#15.1 C2#10.1 D1#13.2 D2#7.2 D5#13.2 D6#5.2 J1#5.1 R1#11.2 R2#11.1 U1#6.8
Board_9-Net-(D1-K): D1#13.1 D3#6.2 M1#14.1 U1#6.2
Board_9-Net-(D2-K): D2#7.1 D4#11.2 M1#14.2 U1#6.3
Board_9-Net-(D5-K): D5#13.1 D7#6.2 M2#4.1 U1#6.13
Board_9-Net-(D6-K): D6#5.1 D8#16.2 M2#4.2 U1#6.14
Board_9-Net-(U1-SENSE_A): R1#11.1 U1#6.1
Board_9-Net-(U1-SENSE_B): R2#11.2 U1#6.15
Board_10-+5V: C2.2 J1#2.4 U1#8.6 U1#8.9 U1#8.11
Board_10-/Entrada 1 Motor A: J1#2.2 U1#8.5
Board_10-/Entrada 1 Motor B: J1#2.7 U1#8.10
Board_10-/Entrada 2 Motor A: J1#2.3 U1#8.7
Board_10-/Entrada 2 Motor B: J1#2.6 U1#8.12
Board_10-/Salida Regulador: C1#6.2 D3#13.1 D4#16.1 D7#9.1 D8#10.1 J1#2.5 U1#8.4
Board_10-GND: C1#6.1 C2.1 D1#2.2 D2#12.2 D5#8.2 D6#4.2 J1#2.1 R1#13.2 R2#7.1 U1#8.8
Board_10-Net-(D1-K): D1#2.1 D3#13.2 M1#9.1 U1#8.2
Board_10-Net-(D2-K): D2#12.1 D4#16.2 M1#9.2 U1#8.3
Board_10-Net-(D5-K): D5#8.1 D7#9.2 M2.1 U1#8.13
Board_10-Net-(D6-K): D6#4.1 D8#10.2 M2.2 U1#8.14
Board_10-Net-(U1-SENSE_A): R1#13.1 U1#8.1
Board_10-Net-(U1-SENSE_B): R2#7.2 U1#8.15
Board_11-+5V: C2#9.2 J1#8.4 U1#16.6 U1#16.9 U1#16.11
Board_11-/Entrada 1 Motor A: J1#8.2 U1#16.5
Board_11-/Entrada 1 Motor B: J1#8.7 U1#16.10
Board_11-/Entrada 2 Motor A: J1#8.3 U1#16.7
Board_11-/Entrada 2 Motor B: J1#8.6 U1#16.12
Board_11-/Salida Regulador: C1#7.2 D3#12.1 D4#15.1 D7#12.1 D8#14.1 J1#8.5 U1#16.4
Board_11-GND: C1#7.1 C2#9.1 D1#8.2 D2#11.2 D5#7.2 D6#15.2 J1#8.1 R1#7.2 R2#3.1 U1#16.8
Board_11-Net-(D1-K): D1#8.1 D3#12.2 M1#2.1 U1#16.2
Board_11-Net-(D2-K): D2#11.1 D4#15.2 M1#2.2 U1#16.3
Board_11-Net-(D5-K): D5#7.1 D7#12.2 M2#15.1 U1#16.13
Board_11-Net-(D6-K): D6#15.1 D8#14.2 M2#15.2 U1#16.14
Board_11-Net-(U1-SENSE_A): R1#7.1 U1#16.1
Board_11-Net-(U1-SENSE_B): R2#3.2 U1#16.15
Board_12-+5V: C2#12.2 J1#3.4 U1#11.6 U1#11.9 U1#11.11
Board_12-/Entrada 1 Motor A: J1#3.2 U1#11.5
Board_12-/Entrada 1 Motor B: J1#3.7 U1#11.10
Board_12-/Entrada 2 Motor A: J1#3.3 U1#11.7
Board_12-/Entrada 2 Motor B: J1#3.6 U1#11.12
Board_12-/Salida Regulador: C1#10.2 D3#14.1 D4#7.1 D7#13.1 D8#15.1 J1#3.5 U1#11.4
Board_12-GND: C1#10.1 C2#12.1 D1#6.2 D2#16.2 D5#9.2 D6#3.2 J1#3.1 R1#6.2 R2#15.1 U1#11.8
Board_12-Net-(D1-K): D1#6.1 D3#14.2 M1#11.1 U1#11.2
Board_12-Net-(D2-K): D2#16.1 D4#7.2 M1#11.2 U1#11.3
Board_12-Net-(D5-K): D5#9.1 D7#13.2 M2#9.1 U1#11.13
Board_12-Net-(D6-K): D6#3.1 D8#15.2 M2#9.2 U1#11.14
Board_12-Net-(U1-SENSE_A): R1#6.1 U1#11.1
Board_12-Net-(U1-SENSE_B): R2#15.2 U1#11.15
Board_13-+5V: C2#6.2 J1#6.4 U1#5.6 U1#5.9 U1#5.11
Board_13-/Entrada 1 Motor A: J1#6.2 U1#5.5
Board_13-/Entrada 1 Motor B: J1#6.7 U1#5.10
Board_13-/Entrada 2 Motor A: J1#6.3 U1#5.7
Board_13-/Entrada 2 Motor B: J1#6.6 U1#5.12
Board_13-/Salida Regulador: C1#13.2 D3#16.1 D4#9.1 D7#7.1 D8#12.1 J1#6.5 U1#5.4
Board_13-GND: C1#13.1 C2#6.1 D1#9.2 D2.2 D5#15.2 D6#16.2 J1#6.1 R1#15.2 R2#6.1 U1#5.8
Board_13-Net-(D1-K): D1#9.1 D3#16.2 M1#5.1 U1#5.2
Board_13-Net-(D2-K): D2.1 D4#9.2 M1#5.2 U1#5.3
Board_13-Net-(D5-K): D5#15.1 D7#7.2 M2#10.1 U1#5.13
Board_13-Net-(D6-K): D6#16.1 D8#12.2 M2#10.2 U1#5.14
Board_13-Net-(U1-SENSE_A): R1#15.1 U1#5.1
Board_13-Net-(U1-SENSE_B): R2#6.2 U1#5.15
Board_14-+5V: C2#11.2 J1#12.4 U1.6 U1.9 U1.11
Board_14-/Entrada 1 Motor A: J1#12.2 U1.5
Board_14-/Entrada 1 Motor B: J1#12.7 U1.10
Board_14-/Entrada 2 Motor A: J1#12.3 U1.7
Board_14-/Entrada 2 Motor B: J1#12.6 U1.12
Board_14-/Salida Regulador: C1#14.2 D3#4.1 D4#3.1 D7#10.1 D8#5.1 J1#12.5 U1.4
Board_14-GND: C1#14.1 C2#11.1 D1#11.2 D2#2.2 D5#4.2 D6#8.2 J1#12.1 R1.2 R2#10.1 U1.8
Board_14-Net-(D1-K): D1#11.1 D3#4.2 M1#4.1 U1.2
Board_14-Net-(D2-K): D2#2.1 D4#3.2 M1#4.2 U1.3
Board_14-Net-(D5-K): D5#4.1 D7#10.2 M2#5.1 U1.13
Board_14-Net-(D6-K): D6#8.1 D8#5.2 M2#5.2 U1.14
Board_14-Net-(U1-SENSE_A): R1.1 U1.1
Board_14-Net-(U1-SENSE_B): R2#10.2 U1.15
Board_15-+5V: C2#7.2 J1#13.4 U1#15.6 U1#15.9 U1#15.11
Board_15-/Entrada 1 Motor A: J1#13.2 U1#15.5
Board_15-/Entrada 1 Motor B: J1#13.7 U1#15.10
Board_15-/Entrada 2 Motor A: J1#13.3 U1#15.7
Board_15-/Entrada 2 Motor B: J1#13.6 U1#15.12
Board_15-/Salida Regulador: C1#11.2 D3#7.1 D4#6.1 D7#14.1 D8#11.1 J1#13.5 U1#15.4
Board_15-GND: C1#11.1 C2#7.1 D1#14.2 D2#10.2 D5#5.2 D6#6.2 J1#13.1 R1#8.2 R2#9.1 U1#15.8
Board_15-Net-(D1-K): D1#14.1 D3#7.2 M1.1 U1#15.2
Board_15-Net-(D2-K): D2#10.1 D4#6.2 M1.2 U1#15.3
Board_15-Net-(D5-K): D5#5.1 D7#14.2 M2#2.1 U1#15.13
Board_15-Net-(D6-K): D6#6.1 D8#11.2 M2#2.2 U1#15.14
Board_15-Net-(U1-SENSE_A): R1#8.1 U1#15.1
Board_15-Net-(U1-SENSE_B): R2#9.2 U1#15.15

## Via types
v1: diameter 0.6, hole 0.3, Top to Bottom, 32 vias

## Routing (per net, layer and track width the routed paths; a pad name or vN(x,y) marks a point on that pad's centre or on a via; arc(x,y) is an arc through that point)
Board_0-+5V: length 58.3
  Top w0.7: J1#11.4 52,203 13.73,203 U1#3.11 U1#3.9 12.81,199.81 9,196 U1#3.6
Board_0-/Entrada 1 Motor A: length 47.6
  Top w0.7: U1#3.5 13.91,193.9 27.68,193.9 28.58,193 56.91,193 J1#11.2 58.91,191
Board_0-/Entrada 1 Motor B: length 79
  Top w0.7: U1#3.10 6.92,201.08 4,204 4,209.5 13.5,219 48.5,219 59,208.5 J1#11.7 58.88,203.5
Board_0-/Entrada 2 Motor A: length 47.5
  Top w0.7: U1#3.7 15.35,195 57.46,195 J1#11.3
Board_0-/Entrada 2 Motor B: length 70.2
  Top w0.7: U1#3.12 7.38,203.62 6,205 6,209.5 14,217.5 42.57,217.5 J1#11.6
Board_0-/Salida Regulador: length 125.8
  Top w0.7: D8#9.1 D7#2.1 30.38,215 31.38,216 41.54,216 J1#11.5 61,196.54 61,187 59,185 C1#9.2 48,181.5 33.13,181.5 D4#5.1 D3#3.1 26.68,184.18 23.5,181 8,181 6,183 6,192 7.46,193.46 U1#3.4
Board_0-GND: length 67.9
  Top w0.7: 58.88,188.5 J1#11.1
  Bottom w0.7: C1#9.1 51.5,192.5 46,198 C2#13.1 ; D1#12.2 17,195.03 17,184 11,178 3.5,178 0.85,180.65 0.85,193.35 6.04,198.54 U1#3.8
Board_0-Net-(D1-K): length 23.8
  Top w0.7: U1#3.2 8,184.5 9.05,183.46 M1#10.1 10.55,183.5 18.47,183.5 D3#3.2 19.15,189.55 D1#12.1
Board_0-Net-(D2-K): length 39.6
  Top w0.7: M1#10.2 10.5,189.97 12.72,192.19 U1#3.3 13.89,193 27.31,193 28.21,192.1 35.59,192.1 D2#13.1 38,184.25 D4#5.2
Board_0-Net-(D5-K): length 40.1
  Top w0.7: D7#2.2 37.96,213.46 37.96,207.77 35.08,204.89 U1#3.13 12.11,204.89 11,206 11,208.96 M2#12.1
Board_0-Net-(D6-K): length 21.9
  Top w0.7: D6.1 19.19,207.85 D8#9.2 12,213.5 8,209.5 U1#3.14
Board_0-Net-(U1-SENSE_A): length 21.9
  Top w0.7: v1(2.5,183) R1#2.1
  Bottom w0.7: v1(2.5,183) 2.5,182 4.5,180 10.25,180 13.08,182.83 U1#3.1
Board_0-Net-(U1-SENSE_B): length 14.9
  Top w0.7: v1(3,215.5) R2#8.2
  Bottom w0.7: U1#3.15 13.07,207.43 5,215.5 v1(3,215.5)
